# Altium PCB LimeSDR_Mini_1v3_Rounded.PcbDoc (part 5 of 6)
Units mm, origin at the board's own origin, x right, y up, seen from the top; angles counter-clockwise.
Board outline 69 x 31.37 mm, 8 copper layers (Top, L2, L3, L4, L5, L6, L7, Bottom), stack 1.555 mm thick; 419 components, 287 nets, 1771 pads, 821 vias.
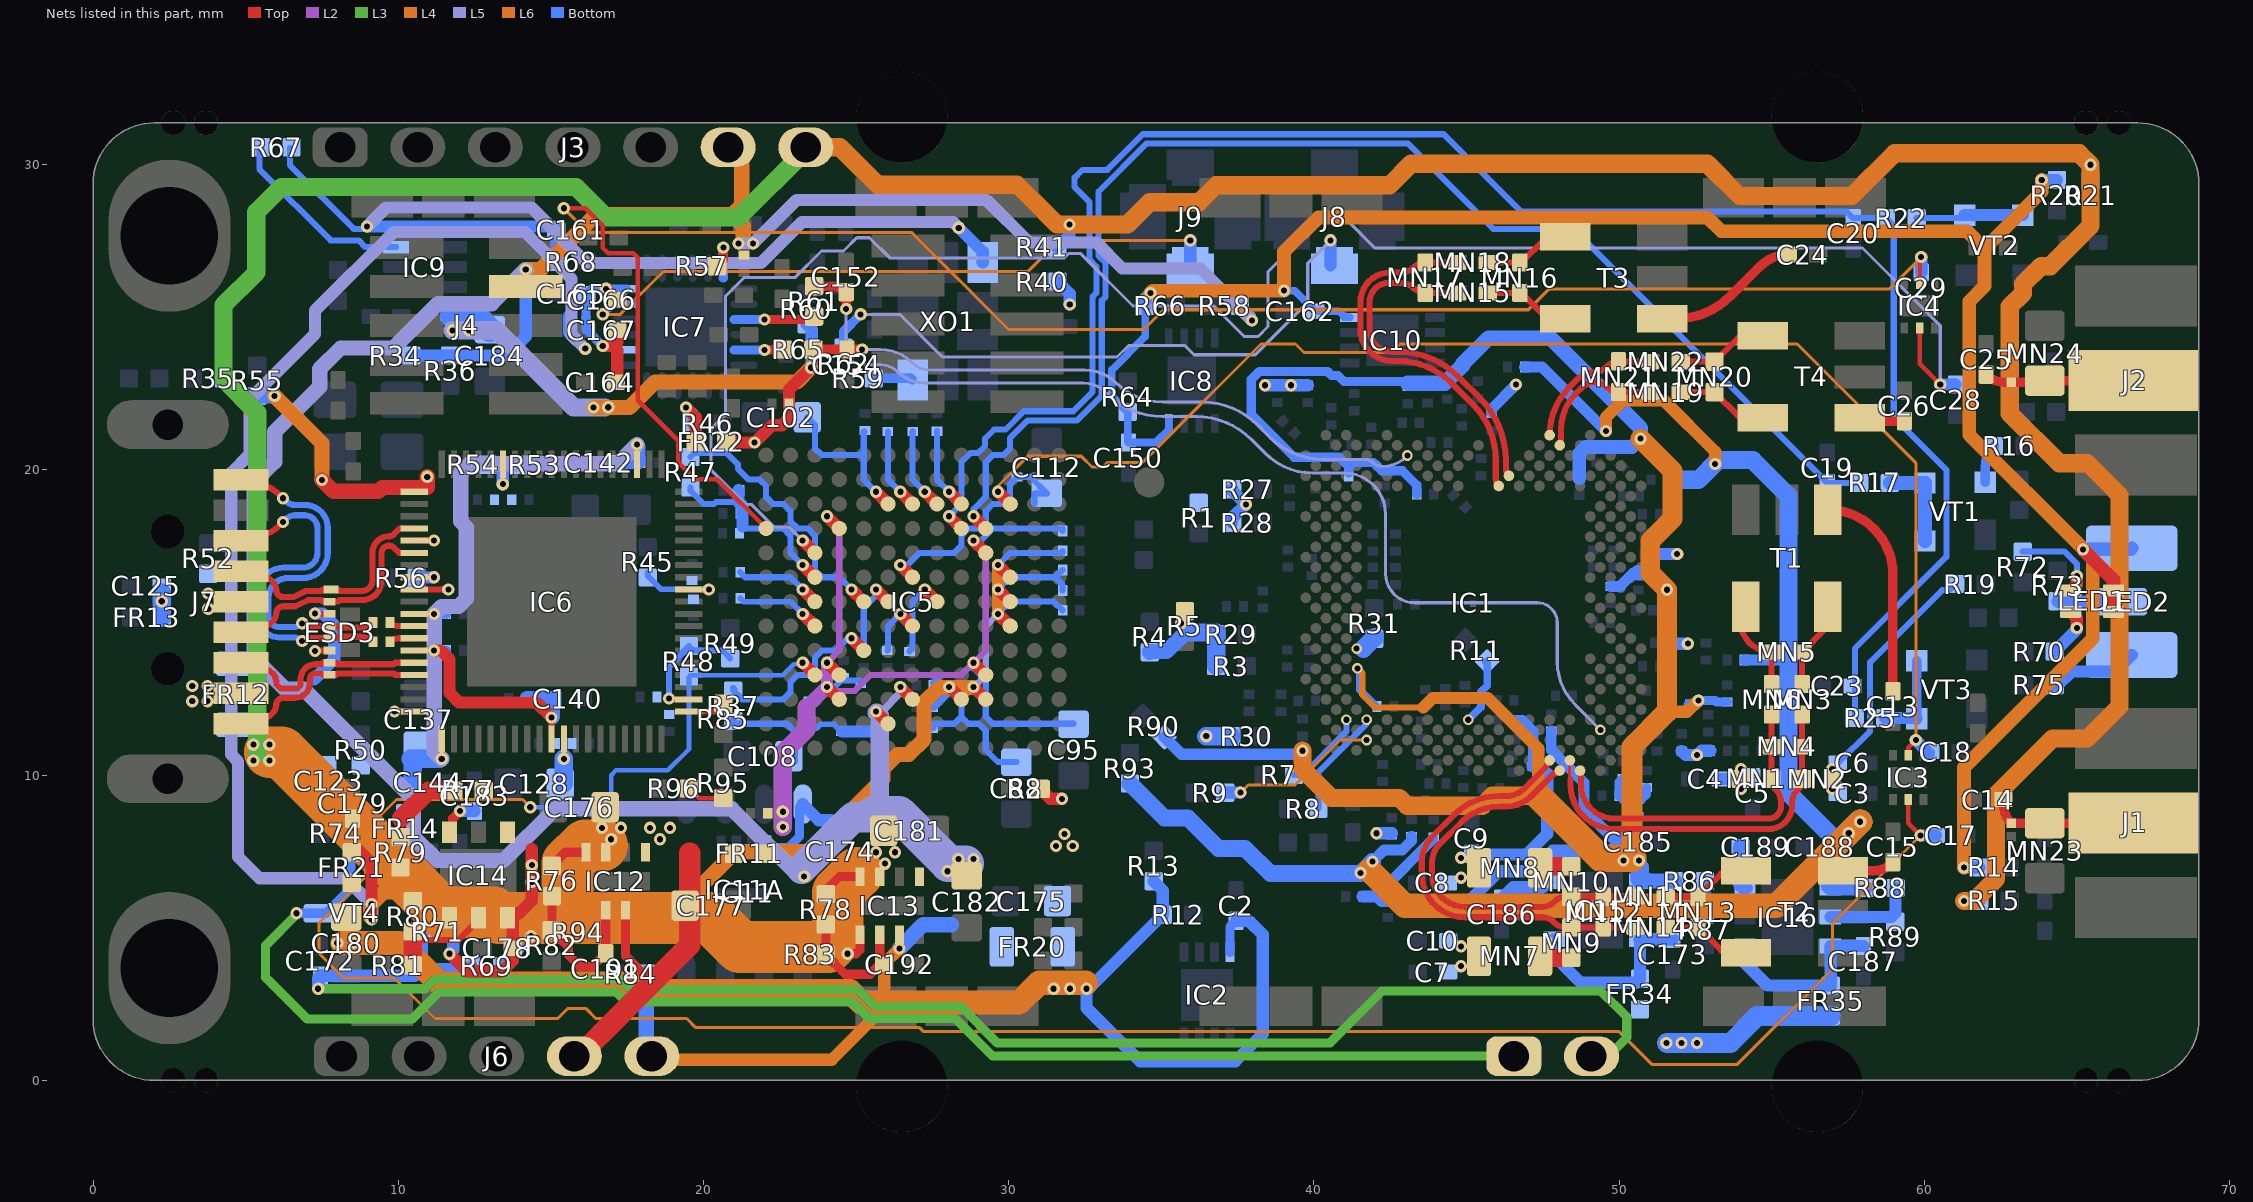
[diagram p11: the nets of this part, all layers, seen from the top]

## Via types
v1: diameter 0.4, hole 0.2, Top to Bottom, tented both sides, 601 vias
v2: diameter 0.4, hole 0.2, Top to Bottom, tented top, 99 vias
v3: diameter 0.35, hole 0.2, Top to Bottom, tented top, 79 vias
v4: diameter 0.5, hole 0.2, Top to Bottom, tented bottom, 25 vias
v5: diameter 0.35, hole 0.2, Top to Bottom, tented both sides, 9 vias
v6: diameter 0.5, hole 0.2, Top to Bottom, tented both sides, 8 vias

## Nets (pads, with @x,y where several pads share a name; then routed paths per layer and width w, separated by ;. In a path a pad name is that pad's centre, name@x,y a point inside that pad or via, vN(x,y) a via of type N, cw(c..) or ccw(c..) an arc to the next point about the centre after c; other vN are vias at no path point) (continued)
NetC172_1: C172.1 J10.2 R69.2 R71.2 | length 53.8
  L3 w0.3: v1(7.375,3) 10.884,3 11.184,3.3 17.3,3.3 17.625,2.975 25.05,2.975 25.6,2.425 28.425,2.425 29.625,1.225 40.525,1.225 42.225,2.925 49.406,2.925 50.25,2.081 50.25,1.4 49.645,0.795 J10.2@49.096,0.795
  Bottom w0.4: v1(7.375,3) 7.375,3.35 C172.1@7.45,3.425 10.545,3.425 10.77,3.65 ; R71.2@10.8,4.85 10.77,4.82 10.77,3.65 ; R69.2@12.4,3.75 12.3,3.65 10.77,3.65
NetC173_2: C173.2 FR34.2 IC15.1 IC15.6 | length 6
  Bottom w0.4: IC15.1@47.875,4.625 47.875,4.067 48.742,3.2 FR34.2@50.556,3.2 ; FR34.2@50.686,3.33 50.686,4.614 IC15.6@50.675,4.625 51.756,4.625 C173.2@51.761,4.63
NetC183_2: C183.2 IC14.3 | length 1.3
  Top w0.3: IC14.3@11.675,8.125 11.775,8.225 11.775,8.575 v1(12.025,8.825)
  Bottom w0.4: v1(12.025,8.825) C183.2@12.5,8.825
NetC186_2: C186.2 IC15.3 | length 1.7
  Bottom w0.4: C186.2@46.15,5.95 46.525,6.325 47.5,6.325 IC15.3@47.65,6.475
NetC187_2: C187.2 FR35.2 IC16.1 IC16.6 | length 6.1
  Bottom w0.4: IC16.1@54.125,4.4 54.125,3.842 54.861,3.105 FR35.2@56.936,3.105 56.936,4.389 IC16.6@56.925,4.4 C187.2@58.006,4.4 C187.2@58.011,4.405
NetC189_2: C189.2 IC16.3 | length 1.4
  Bottom w0.5: C189.2@53.986,7.655 53.986,6.438 IC16.3@54.125,6.3
NetC190_2: C190.2 FR27.1 R91.2 R92.2 | length 1.9
  Bottom w0.3: R91.2@50.125,9.895 50.005,9.775 C190.2@50.005,9.325 50.125,9.205 FR27.1@50.625,9.205 50.73,9.205 50.9,9.375 R92.2@50.9,9.595
NetC191_1: C191.1 IC12.2 R76.1 R82.2 | length 6.1
  Top w0.3: R76.1@15.036,6.034 15.036,4.936 R82.2@15.025,4.925 15.575,4.375 15.575,4.114 15.964,3.725 16.361,3.725 C191.1@16.8,4.164 16.8,4.57 ; 16.8,4.57 IC12.2@16.8,5.575 16.8,4.57
NetC192_1: C192.1 IC13.2 R78.1 R83.2 | length 4.3
  Top w0.3: R78.1@24.011,5.234 24.011,4.136 R83.2@24,4.125 24.65,3.475 25.46,3.475 25.636,3.651 25.636,3.659 C192.1@25.736,3.759 ; IC13.2@25.775,4.775 25.775,3.77 C192.1@25.786,3.759
NetIC1_D28: IC1.D28 R9.1 | length 5.3
  L4 w0.1: v1(37.6,9.428) 37.847,9.675 39.375,9.675 40.85,11.15 v3(41.73,11.15)
  Bottom w0.4: R9.1@37.1,9.428 v1(37.6,9.428)
NetIC1_F18: IC1.F18 R11.1 | length 2.2
  Bottom w0.25: v3(45.06,11.816) 45.475,12.231 45.475,12.728 45.681,12.934 45.681,13.666 R11.1@45.63,13.718
NetIC1_F28: IC1.F28 R8.1 | length 3.6
  Bottom w0.2: R8.1@40.15,8.903 40.15,10.1 41.73,11.68 v3(41.73,11.816)
NetIC1_F30: IC1.F30 R7.1 | length 2.7
  Bottom w0.2: R7.1@39.35,10.003 39.628,10.003 41.064,11.439 v3(41.064,11.816)
NetIC5_E5: IC5.E5 R37.2 | length 5.8
  Top w0.4: v1(24.85,14.485) IC5.E5@25.25,14.085
  Bottom w0.2: R37.2@20.975,12.775 21.265,12.485 22.616,12.485 22.85,12.719 22.85,13.051 23.084,13.285 23.416,13.285 23.65,13.519 23.65,13.851 23.884,14.085 24.322,14.085 24.722,14.485 v1(24.85,14.485) ; R37.2@20.975,12.85 R37.2@21.012,12.813
NetIC5_E7: IC5.E7 R47.2 | length 8.9
  Top w0.4: v1(24.85,16.085) IC5.E7@25.25,15.685
  Bottom w0.2: R47.2@19.575,20.425 19.7,20.55 20.766,20.55 21.125,20.191 21.125,20.044 21.484,19.685 21.84,19.685 22.05,19.475 22.05,19.119 22.284,18.885 22.616,18.885 22.85,18.651 22.85,18.319 23.084,18.085 23.416,18.085 23.65,17.851 23.65,16.719 23.884,16.485 24.45,16.485 v1(24.85,16.085)
NetIC6_27: IC6.27 R56.2 | length 1.2
  Top w0.2: IC6.27@10.525,16.485 v1(11.175,16.485)
  Bottom w0.4: R56.2@10.6,16.475 11.165,16.475 v1(11.175,16.485)
NetIC6_58: IC6.58 R85.2 | length 1.2
  Top w0.2: IC6.58@19.525,12.085 20.36,12.085 R85.2@20.625,12.35
NetIC7_3: IC7.3 R61.2 | length 2.6
  Top w0.3: v1(22,24.935) 23.408,24.935 ccw(c23.408,25.242) R61.2@23.625,25.025
  Bottom w0.3: IC7.3@21,24.935 IC7.3@21.325,24.935 v1(22,24.935)
NetIC7_5: IC7.5 R65.2 | length 1.6
  Top w0.309: v1(22,23.935) 22.564,23.935 ccw(c22.564,23.986) R65.2@22.6,23.95
  Bottom w0.3: IC7.5@21,23.935 IC7.5@21.325,23.935 v1(22,23.935)
NetIC7_24: IC7.24 R57.1 | length 1.7
  Top w0.3: R57.1@20.45,26.675 20.65,26.875 v1(20.65,27.285)
  Bottom w0.3: IC7.24@20.65,26.285 IC7.24@20.65,26.61 v1(20.65,27.285)
NetIC9_6: IC9.6 R67.2 | length 6.2
  Bottom w0.2: R67.2@5.45,30.55 5.45,29.859 7.784,27.525 8.7,27.525 8.925,27.3 IC9.6@9.925,27.3
NetIC12_8: IC12.8 R76.2 | length 1.3
  Top w0.3: R76.2@15.036,7.034 15.477,7.475 IC12.8@16.15,7.475
NetIC13_8: IC13.8 R78.2 | length 1.3
  Top w0.3: R78.2@24.011,6.234 24.452,6.675 IC13.8@25.125,6.675
NetIC14_4: IC14.4 R79.1 R80.2
NetIC14_5: IC14.5 R80.1 R81.1 | length 3.5
  Top w0.2: R80.1@10.6,4.6 11.984,4.6 12.625,5.241 IC14.5@12.625,5.325
  Top w0.6: R81.1@10.475,3.775 R80.1@10.475,4.875
NetIC15_5: IC15.5 R86.1 R87.2 | length 3
  Bottom w0.4: IC15.5@50.675,5.575 52.667,5.575 52.811,5.72 R86.1@52.811,6.53
NetIC16_5: IC16.5 R88.1 R89.2 | length 3
  Bottom w0.4: IC16.5@56.925,5.35 58.917,5.35 59.061,5.495 R88.1@59.061,6.305
NetJ7_7: J7.7 R52.2
  other v1: 3.775,15.45 3.775,15.95
NetJ10_1: J10.1 R74.2 VT4.D | length 49.1
  L3 w0.3: v1(6.661,5.475) 6.661,5.425 5.65,4.414 5.65,3.375 7.015,2.01 10.46,2.01 11.35,2.9 17.134,2.9 17.459,2.575 24.884,2.575 25.434,2.025 28.25,2.025 29.48,0.795 J10.1@46.554,0.795
  Bottom w0.3: v1@6.711,5.475 VT4.D@7.4,5.475 7.625,5.475 8.45,6.3 R74.2@8.45,8.075
NetLED1_3: LED1.3 R70.1 | length 1.7
  Top w0.4: LED1.3@64.8,15.35 65,15.15 v1(65,14.825)
  Bottom w0.4: R70.1@64.275,14.05 65,14.775 v1(65,14.825)
NetLED1_4: LED1.4 R72.1 | length 2.9
  Top w0.4: LED1.4@64.8,16.05 65,16.25 v1(65,16.525)
  Bottom w0.2: R72.1@63.225,17.325 64.598,17.325 65,16.923 v1(65,16.525)
NetLED2_C1: LED2.C1 R75.1 | length 3.1
  Bottom w0.4: R75.1@64.15,12.95 64.375,12.95 64.825,13.4 66.265,13.4 LED2.C1@66.8,13.935
NetLED2_C2: LED2.C2 R73.1 | length 1.9
  Bottom w0.4: R73.1@64.375,15.7 64.39,15.685 LED2.C2@66.3,15.685
NetMN7_1: MN7.1 MN9.2 | length 1
  Top w0.6: MN7.1@47.412,4.067 47.464,4.015 MN9.2@48.435,4.015
NetMN8_1: MN8.1 MN10.2 | length 1
  Top w0.6: MN8.1@47.412,6.967 47.46,7.015 MN10.2@48.435,7.015
NetR16_2: R16.2 VT1.2 | length 1.3
  Bottom w0.309: VT1.2@62,19.6 62,20.093 cw(c62.982,20.093) R16.2@62.287,20.787
NetR17_1: R17.1 VT1.3 VT1.4 | length 3
  Bottom w0.45: R17.1@58.875,19.575 VT1.3@60.025,19.575 VT1.4@60.025,17.675
NetR22_2: R22.2 VT2.3 VT2.4 | length 3.5
  Bottom w0.2: R22.2@59.75,28.25 61.225,28.25 VT2.4@61.325,28.35
  Bottom w0.4: VT2.4@61.325,28.35 VT2.3@63.225,28.35
NetR25_1: R25.1 VT3.3 VT3.4 | length 2.9
  Bottom w0.309: VT3.4@59.75,11.85 VT3.3@59.75,13.75
  Bottom w0.4: R25.1@58.725,11.875 59.725,11.875 VT3.4@59.75,11.85
NetR59_1: R59.1 XO1.6 | length 1.3
  Bottom w0.309: R59.1@25.575,23 26.8,23 XO1.6@26.85,22.95
NetR95_2: R95.2 R96.1 | length 1.3
  Top w0.15: R96.1@19.525,9.565 19.84,9.25 R95.2@20.65,9.25
REF_CLK_IN: J8.1 R62.1 | length 20.7
  L5 w0.1: v1(25.15,25.1) 26.425,25.1 27.825,23.7 33.55,23.7 33.925,24.075 35.775,24.075 36.075,23.775 38.075,23.775 39.8,25.5 39.8,26.775 v1(40.55,27.525)
  Bottom w0.3: R62.1@24.588,24.002 24.588,24.538 v1(25.15,25.1)
  Bottom w0.4: J8.1@40.55,26.7 v1(40.55,27.525)
REF_CLK_OUT: IC7.17 J9.1 | length 22
  L6 w0.1: v1(16.7,25.1) 17.275,25.1 18.675,26.5 30.625,26.5 31.65,27.525 v1(35.95,27.525)
  Bottom w0.25: v1(16.7,25.1) 17.035,25.435 IC7.17@17.475,25.435
  Bottom w0.4: J9.1@35.95,26.7 v1(35.95,27.525)
RFSW_RX_V1: C29.2 IC4.5 IC5.A10 | length 63
  Top w0.15: v1(15.425,28.575) 16.125,28.575 16.7,28 16.7,27.275 16.875,27.1 17.7,27.1 17.85,26.95 17.85,22.285 19.175,20.96 19.175,20.25 19.725,19.7 20.435,19.7 IC5.A10@22.05,18.085 ; IC4.5@59.85,26.1 v1@59.85,26.975
  L4 w0.1: v1(15.425,28.575) 16.225,27.775 26.825,27.775 30,24.6 34.425,24.6 35.075,25.25 47.025,25.25 47.7,25.925 58.85,25.925 v1(59.9,26.975)
  Bottom w0.4: C29.2@59.9,26.475 v1(59.9,26.975)
RFSW_RX_V2: C28.2 IC4.2 IC5.C9 | length 61.1
  Top w0.15: IC4.2@59.85,24.65 59.85,23.475 v1(60.525,22.8)
  Top w0.4: v2(23.25,17.685) IC5.C9@23.65,17.285
  L5 w0.1: v2(23.25,17.685) 22.81,18.125 22.315,18.125 21.565,18.875 21.365,18.875 20.25,19.99 20.25,21.355 20.725,21.83 20.725,25.7 21.325,26.3 22.992,26.3 23.867,27.175 24.59,27.175 25.025,27.61 25.44,27.61 26.1,26.95 31.825,26.95 31.975,27.1 32.35,27.1 34.075,25.375 36.72,25.375 37.72,24.375 38.175,24.375 38.5,24.7 38.5,26.5 40.15,28.15 41.125,28.15 42,27.275 57.975,27.275 60.525,24.725 v1(60.525,22.8)
  Bottom w0.4: v1(60.525,22.8) C28.2@61.025,22.8
RFSW_TX_V1: C18.2 IC3.5 IC5.L11 | length 45.2
  Top w0.15: IC3.5@59.475,10.65 59.475,10.9 v1(59.725,11.15)
  Top w0.4: v2(29.65,19.285) IC5.L11@30.05,18.885
  L4 w0.1: v2(29.65,19.285) 29.65,19.475 30.625,20.45 32.38,20.45 32.73,20.1 33.1,20.1 33.25,20.25 34.391,20.25 38.266,24.125 39.4,24.125 39.675,23.85 42.55,23.85 42.825,24.125 55.834,24.125 59.725,20.234 v1(59.725,11.15)
  Bottom w0.4: v1(59.725,11.15) C18.2@60.15,10.725
RFSW_TX_V2: C17.2 IC3.2 IC5.C4 R48.2 | length 83.9
  Top w0.15: IC3.2@59.475,9.2 59.475,8.425 v1(59.875,8.025)
  Top w0.4: v2(23.25,13.685) IC5.C4@23.65,13.285
  L6 w0.1: v1(14.325,8.95) 14.075,9.2 9.941,9.2 8.925,8.184 8.925,6.675 7.4,5.15 7.4,4.166 8.216,3.35 9.875,3.35 11.2,2.025 15.225,2.025 15.56,2.36 16.14,2.36 16.475,2.025 19.45,2.025 19.75,1.725 27.085,1.725 27.215,1.595 50.005,1.595 51.075,0.525 53.875,0.525 57,3.65 57,5.15 v1(59.875,8.025)
  Bottom w0.15: v1(14.325,8.95) 16.625,8.95 16.975,9.3 16.975,10 17.135,10.16 18.835,10.16 19.525,10.85 R48.2@19.525,13.23 19.57,13.275 22.6,13.275 22.962,13.637 23.202,13.637 v2(23.25,13.685)
  Bottom w0.4: v1(59.875,8.025) C17.2@60.375,8.025
RX: C25.2 ESD2.1 J2.1 MN24.1 | length 4.9
  Top w0.309: C25.2@62.025,23.125 62.028,23.122 ccw(c62.625,23.72) 62.625,22.875 ESD2.1@62.85,22.875 63.829,22.875 ccw(c63.829,23.046) MN24.1@63.95,22.925 66.815,22.925 ccw(c66.815,22.968) J2.1@66.845,22.937
RX1_H: C24.2 T3.3 | length 4.8
  Top w0.309: T3.3@51.415,24.955 51.853,24.955 ccw(c51.853,27.495) 53.649,25.699 54.629,26.679 cw(c55.525,25.783) C24.2@55.525,27.05
RX1_H_A_N: IC1.AJ15 MN17.1 MN18.2 | length 12.4
  Top w0.2: MN17.1@43.657,26.8 MN17.1@43.65,26.8 ; MN18.2@44.7,26.8 MN17.1@43.65,26.8 ; IC1.AJ15@46.059,19.475 cw(c46.3,19.716) 45.959,19.716 45.959,20.341 ccw(c43.394,20.341) 45.208,22.155 44.532,22.831 ccw(c42.735,21.035) 42.735,23.575 42.55,23.575 cw(c42.55,24.6) 41.525,24.6 41.525,25.5 cw(c42.495,25.5) 42.495,26.47 42.853,26.47 ccw(c42.853,27.089) 43.291,26.651 cw(c43.65,26.292) MN17.1@43.65,26.8
RX1_H_A_P: IC1.AK14 MN15.2 MN17.2 | length 11.6
  Top w0.2: MN15.2@44.7,25.8 MN17.2@43.65,25.8 cw(c43.65,26.308) 43.291,25.949 ccw(c42.853,25.511) 42.853,26.13 42.455,26.13 ccw(c42.455,25.5) 41.825,25.5 41.825,24.6 ccw(c42.55,24.6) 42.55,23.875 42.742,23.875 cw(c42.742,21.035) 44.75,23.043 45.448,22.345 cw(c43.411,20.308) 46.292,20.308 46.292,20.225 46.292,20.049 ccw(c46.633,20.049) IC1.AK14@46.392,19.808
RX1_H_B_N: MN16.1 MN18.1 T3.6 | length 2.8
  Top w0.2: MN18.1@45.7,26.8 MN16.1@46.75,26.8 ; MN16.1@46.8,26.8 47.558,27.558 cw(c48.19,26.927) T3.6@48.19,27.82
RX1_H_B_P: MN15.1 MN16.2 T3.4 | length 2.8
  Top w0.2: MN15.1@45.7,25.8 46.1,25.8 MN16.2@46.75,25.8 ; MN16.2@46.8,25.8 47.576,25.024 ccw(c48.165,25.613) T3.4@48.165,24.78
RX1_W: C26.2 T4.3 | length 1.3
  Top w0.309: T4.3@58.225,21.506 ccw(c58.191,21.506) 58.215,21.53 cw(c58.384,21.361) 58.384,21.6 C26.2@59.45,21.6
RX2_W_A_N: IC1.AP10 MN21.1 MN22.2 | length 4.6
  Top w0.2: IC1.AP10@47.724,21.14 cw(c49.958,21.14) 48.378,22.72 48.634,22.976 cw(c49.224,22.386) 49.224,23.22 ccw(c49.224,23.728) 49.583,23.369 ; 49.616,23.401 cw(c49.975,23.042) MN21.1@49.975,23.55 ; MN21.1@49.982,23.55 MN22.2@51.025,23.55
RX2_W_A_P: IC1.AN9 MN19.2 MN21.2 | length 4.5
  Top w0.2: IC1.AN9@48.057,20.807 ccw(c47.953,20.911) 48.1,20.911 48.1,21.325 cw(c49.771,21.325) 48.589,22.507 48.778,22.695 cw(c49.224,22.249) 49.224,22.88 cw(c49.224,22.372) 49.583,22.731 49.616,22.699 ccw(c49.975,23.058) 49.975,22.55 MN19.2@51.025,22.55
RX2_W_B_N: MN20.1 MN22.1 T4.6 | length 2.8
  Top w0.2: MN22.1@52.025,23.55 MN20.1@53.075,23.55 ; MN20.1@53.125,23.55 53.883,24.308 cw(c54.515,23.677) T4.6@54.515,24.57
RX2_W_B_P: MN19.1 MN20.2 T4.4 | length 3.2
  Top w0.2: MN19.1@52.025,22.55 52.425,22.55 MN20.2@53.075,22.55 ; MN20.2@53.125,22.55 53.883,21.792 ccw(c54.515,22.423) T4.4@54.515,21.53 ; T4.4@54.12,21.53 T4.4@54.465,21.53
RXPLL_CLK: C154.2 IC1.AM24 R65.1 | length 20.7
  Top w0.309: R65.1@23.6,23.95 C154.2@24.717,23.95 ; C154.2@24.7,23.95 v1(25.2,23.95)
  L5 w0.1: v1(25.2,23.95) 25.799,23.95 cw(c25.799,22.499) 26.825,23.525 ccw(c27.429,24.129) 27.429,23.275 32.499,23.275 cw(c32.499,21.824) 33.525,22.85 ccw(c35.034,24.359) 35.034,22.225 36.348,22.225 cw(c36.348,19.685) 38.144,21.481 38.531,21.094 ccw(c40.327,22.89) 40.327,20.35 41.684,20.35 cw(c41.684,20.009) 41.925,20.25 ccw(c42.249,20.574) 42.232,20.116 ccw(c42.249,20.574) 42.249,20.116 ccw(c42.221,21.324) v3@43.075,20.469
  other v3: 43.062,20.474
TCXO_VC: C161.2 R67.1 R68.1 XO1.1 | length 33.8
  L5 w0.4: v1(8.975,27.975) 9.6,28.6 14.363,28.6 16.178,26.785 21.885,26.785 23.225,28.125 28.175,28.125 v1(28.365,27.935)
  Bottom w0.2: R67.1@6.45,30.55 6.45,29.991 8.541,27.9 8.9,27.9 v1(8.975,27.975)
  Bottom w0.4: v1(8.975,27.975) 15.075,27.975 C161.2@15.175,27.875 R68.1@15.175,26.825 ; v1(28.365,27.935) 29.15,27.15 XO1.1@29.15,26.8
TX: C14.2 ESD1.1 J1.1 MN23.1 | length 4.8
  Top w0.309: C14.2@62.6,9.2 62.6,9.029 ccw(c63.454,9.029) ESD1.1@62.85,8.425 MN23.1@63.95,8.425 66.815,8.425 ccw(c66.815,8.468) J1.1@66.845,8.437
TX1_1: C13.2 T1.3 | length 7.2
  Top w0.309: T1.3@56.845,18.7 cw(c56.845,16.57) 58.975,16.57 C13.2@58.975,12.75
TX1_1_A_N: IC1.A7 MN1.1 MN4.1 MN6.2 | length 11.1
  Top w0.2: IC1.A7@48.723,10.101 48.757,10.067 48.757,9.675 ccw(c49.857,9.675) 49.857,8.575 54.9,8.575 ccw(c54.9,8.979) 55.304,8.979 55.304,9.146 ccw(c54.796,9.146) 55.155,9.505 ; IC1.A7@48.723,10.151 IC1.A7@48.758,10.116 ; MN1.1@55,9.695 55,9.877 MN4.1@55,10.935 MN6.2@55,11.985 ; MN1.1@55.001,9.87 ccw(c55.509,9.87) 55.149,9.51
TX1_1_A_P: IC1.B8 MN2.1 MN3.1 MN4.2 | length 12.3
  Top w0.11: 48.39,9.916 48.39,10.128 IC1.B8@48.39,10.484
  Top w0.2: 48.414,9.881 48.414,9.675 ccw(c49.854,9.675) 49.854,8.235 54.9,8.235 ccw(c54.9,9.006) 55.671,9.006 55.671,9.119 cw(c56.179,9.119) 55.819,9.478 55.852,9.51 ccw(c55.493,9.87) MN2.1@56.001,9.87 ; MN2.1@56,9.885 56,10.285 MN4.2@56,10.935 MN3.1@56,11.985
TX1_1_B_N: MN5.2 MN6.1 T1.6 | length 2.7
  Top w0.2: T1.6@53.98,15.055 ccw(c55,15.055) MN5.2@55,14.035 MN6.1@55,12.985
TX1_1_B_P: MN3.2 MN5.1 T1.4 | length 2.8
  Top w0.2: MN3.2@56,12.985 MN5.1@56,14.035 56.776,14.811 ccw(c56.187,15.4) T1.4@57.02,15.4
TX1_2: C15.2 T2.1 | length 1.9
  Top w0.309: T2.1@57.19,6.87 T2.1@57.34,6.87 58.35,6.87 ccw(c58.35,7.703) 58.939,7.114 C15.2@58.975,7.15
TX2_1_A_N: IC1.B10 MN9.1 MN12.2 MN14.1 | length 14
  Top w0.2: IC1.B10@47.724,10.484 47.689,10.449 ccw(c47.848,10.291) 47.624,10.291 46.891,9.559 cw(c46.303,10.147) 46.303,9.315 46.075,9.315 ccw(c46.075,7.225) 44.597,8.703 43.885,7.99 ccw(c44.729,7.146) 43.535,7.146 43.535,6.76 ccw(c44.95,6.76) 44.95,5.345 47.495,5.345 cw(c47.495,4.837) 47.854,5.196 47.886,5.164 ccw(c48.246,5.523) 48.246,5.015 MN9.1@48.435,5.015 MN12.2@49.485,5.015 MN14.1@50.535,5.015
TX2_1_A_P: IC1.A9 MN10.1 MN11.2 MN12.1 | length 13.2
  Top w0.2: IC1.A9@48.057,10.151 48.022,10.116 cw(c47.864,10.274) 47.864,10.051 47.128,9.315 cw(c46.308,10.136) 46.308,8.975 46.075,8.975 ccw(c46.075,7.225) 44.837,8.462 44.125,7.75 ccw(c44.729,7.146) 43.875,7.146 43.875,6.76 ccw(c44.95,6.76) 44.95,5.685 47.495,5.685 ccw(c47.495,6.193) 47.854,5.834 47.886,5.866 cw(c48.246,5.507) 48.246,6.015 MN10.1@48.435,6.015 48.835,6.015 MN12.1@49.485,6.015 MN11.2@50.535,6.015
TX2_1_B_N: MN13.1 MN14.2 T2.4 | length 3.2
  Top w0.2: MN14.2@51.535,5.015 51.935,5.015 MN13.1@52.585,5.015 53.344,4.257 ccw(c53.975,4.888) T2.4@53.975,3.995 ; T2.4@53.605,3.995 T2.4@53.95,3.995
TX2_1_B_P: MN11.1 MN13.2 T2.6 | length 2.8
  Top w0.2: MN11.1@51.535,6.015 MN13.2@52.585,6.015 53.344,6.773 cw(c53.975,6.142) T2.6@53.975,7.035
TX_LB_AT: C19.1 IC5.K10 R17.2 | length 44.4
  Top w0.4: v2(28.85,18.485) IC5.K10@29.25,18.085
  Bottom w0.2: v2(28.85,18.485) 28.85,18.719 29.25,19.119 29.25,19.451 29.25,20.251 29.484,20.485 29.816,20.485 30.05,20.719 30.05,21.051 30.624,21.625 32.24,21.625 33.05,22.435 33.05,25.551 33.175,25.676 33.175,26.784 32.95,27.009 32.95,29.125 34.525,30.7 43.075,30.7 45.875,27.9 48.5,27.9 C19.1@56.825,19.575 R17.2@57.875,19.575
TX_LB_SH: C20.1 C23.1 IC5.J10 R22.1 R25.2 | length 62
  Top w0.4: v2(28.05,18.485) IC5.J10@28.45,18.085
  Bottom w0.2: v2(28.05,18.485) 28.45,18.885 28.45,20.251 28.749,20.55 28.991,20.55 29.225,20.784 29.225,21.026 29.525,21.326 29.901,21.326 30.5,21.925 32.116,21.925 32.75,22.559 32.75,25.675 32.875,25.8 32.875,26.66 32.65,26.885 32.65,28.775 32.159,29.266 32.159,29.575 32.419,29.835 33.236,29.835 34.401,31 44.25,31 46.775,28.475 57.45,28.475 C20.1@57.675,28.25 R22.1@58.75,28.25 59,28 59,21.725 60.725,20 60.725,17.15 57.725,14.15 R25.2@57.725,11.875
TXPLL_CLK: C152.2 IC1.E5 R61.1 | length 35.2
  Top w0.309: R61.1@23.625,26.025 24.192,26.025 cw(c24.192,25.342) C152.2@24.675,25.825 v1(24.675,25.275)
  L5 w0.1: v1(24.675,25.275) 24.675,23.975 ccw(c25.2,23.975) 25.2,23.45 25.789,23.45 cw(c25.789,22.615) 26.379,23.206 ccw(c27.238,24.064) 26.501,23.099 ccw(c27.238,24.064) 27.238,22.85 32.451,22.85 cw(c32.451,21.826) 33.175,22.55 33.231,22.494 ccw(c35.027,24.29) 35.027,21.75 36.148,21.75 cw(c36.148,19.21) 37.944,21.006 38.406,20.544 ccw(c39.961,22.099) 39.961,19.9 41,19.9 cw(c41,18.55) 42.35,18.55 42.35,16.6 ccw(c43.3,16.6) 43.3,15.65 47.325,15.65 cw(c47.325,15) 47.975,15 47.975,13.725 ccw(c49.974,13.725) 48.56,12.312 v3(49.389,11.483)
USB_D_N: ESD3.2 IC6.25 J7.2 | length 7.6
  Top w0.2: J7.2@4.85,14.685 5.022,14.685 ccw(c5.022,15.923) 5.897,15.047 ccw(c5.65,15.295) 6,15.295 cw(c6.24,15.295) 6.24,15.535 6.625,15.535 7.05,15.735 7.48,15.735 7.53,15.685 ESD3.2@7.742,15.685 ; ESD3.2@7.818,15.685 8.03,15.685 8.08,15.735 8.805,15.735 ccw(c8.805,16.38) 9.45,16.38 9.45,17.275 cw(c9.695,17.275) 9.695,17.52 ; 9.7,17.52 cw(c9.7,17.303) 9.853,17.457 10.025,17.285 IC6.25@10.525,17.285
USB_D_P: ESD3.1 IC6.23 J7.3 | length 8.2
  Top w0.2: J7.3@4.65,16.65 4.685,16.685 J7.3@4.85,16.685 J7.3@5.022,16.685 ; J7.3@5.39,16.685 J7.3@5.022,16.685 ; ESD3.1@7.742,16.085 7.53,16.085 7.48,16.035 6.975,16.035 6.55,15.835 6.24,15.835 cw(c6.24,16.075) 6,16.075 ccw(c5.65,16.075) 5.897,16.323 ccw(c5.022,15.447) J7.3@5.022,16.685 ; ESD3.1@7.818,16.085 8.03,16.085 8.08,16.035 8.805,16.035 ccw(c8.805,16.38) 9.15,16.38 9.15,17.275 cw(c9.7,17.275) 9.7,17.825 ccw(c9.7,18.042) 9.853,17.888 10.05,18.085 IC6.23@10.525,18.085
USB_GND: C125.2 ESD3.6 FR13.1 NT1.1 | length 1.3
  Top w0.2: v1(7.275,14.07) cw(c7.311,14.034) 7.311,14.085 ESD3.6@7.742,14.085
  Bottom w0.6: FR13.1@2.252,15.17 C125.2@2.252,15.975
  other v1: 2.25,15.7
USB_SSRX_N: ESD3.7 IC6.34 J7.8 | length 7.2
  Top w0.2: J7.8@5.39,13.685 J7.8@4.85,13.685 5.022,13.685 cw(c5.022,12.447) 5.897,13.323 cw(c5.65,13.075) 6,13.075 ccw(c6.24,13.075) 6.24,12.835 6.625,12.835 ccw(c6.625,13.01) 6.8,13.01 6.8,13.15 cw(c7.285,13.15) 7.285,13.635 7.48,13.635 7.53,13.685 ESD3.7@7.742,13.685 7.955,13.685 8.005,13.635 9.85,13.635 9.9,13.685 IC6.34@10.525,13.685
USB_SSRX_P: ESD3.8 IC6.35 J7.9 | length 6.7
  Top w0.2: J7.9@4.2,11.685 J7.9@4.372,11.685 ; J7.9@5.022,11.685 ccw(c5.022,12.923) 5.897,12.047 ccw(c5.65,12.295) 6,12.295 cw(c6.24,12.295) 6.24,12.535 6.625,12.535 ccw(c6.625,13.01) 7.1,13.01 7.1,13.15 cw(c7.285,13.15) 7.285,13.335 7.48,13.335 7.53,13.285 ESD3.8@7.742,13.285 7.955,13.285 8.005,13.335 9.85,13.335 9.9,13.285 IC6.35@10.525,13.285